# Altium PCB PCB1.PcbDoc
Units mm, origin at the board's own origin, x right, y up, seen from the top; angles counter-clockwise.
Board outline 85.72 x 53.85 mm, 4 copper layers (Top Layer, Signal1, GND, Bottom Layer), stack 0.415 mm thick; 53 components, 104 nets, 292 pads, 61 vias.
Unrouted connection lines stored in the file: 22.
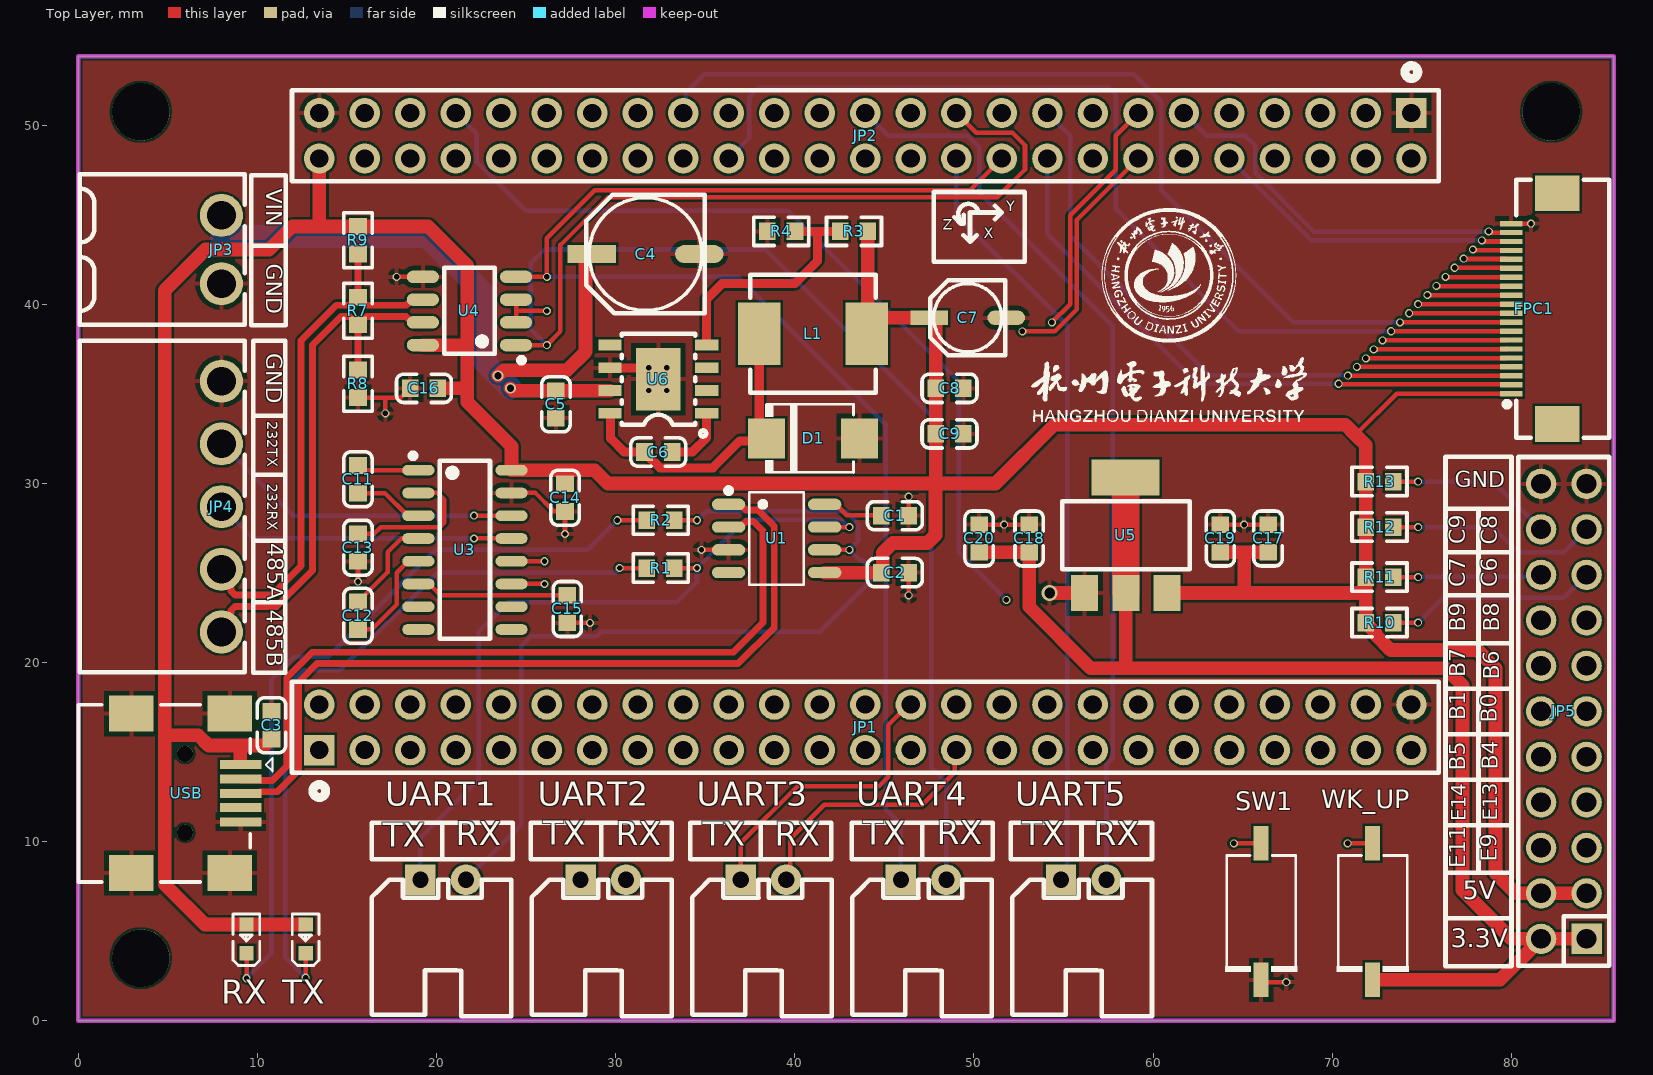
[diagram p0: Top Layer view]
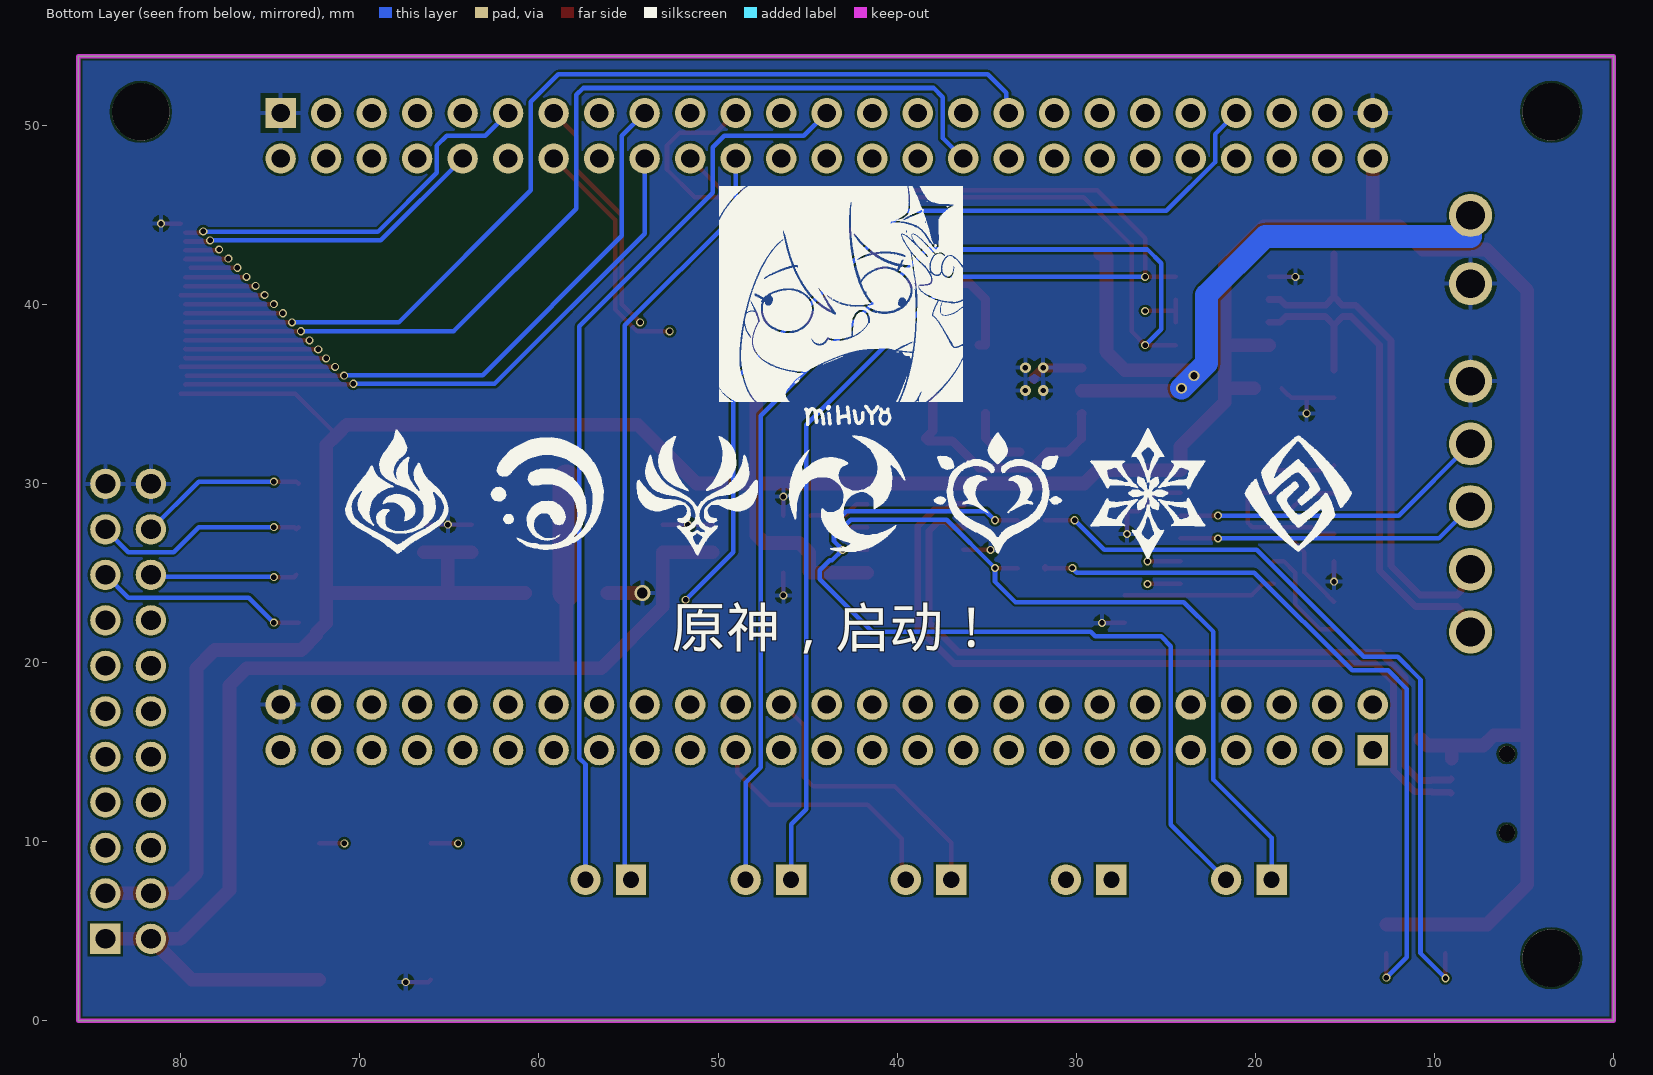
[diagram p1: Bottom Layer view, seen from below]
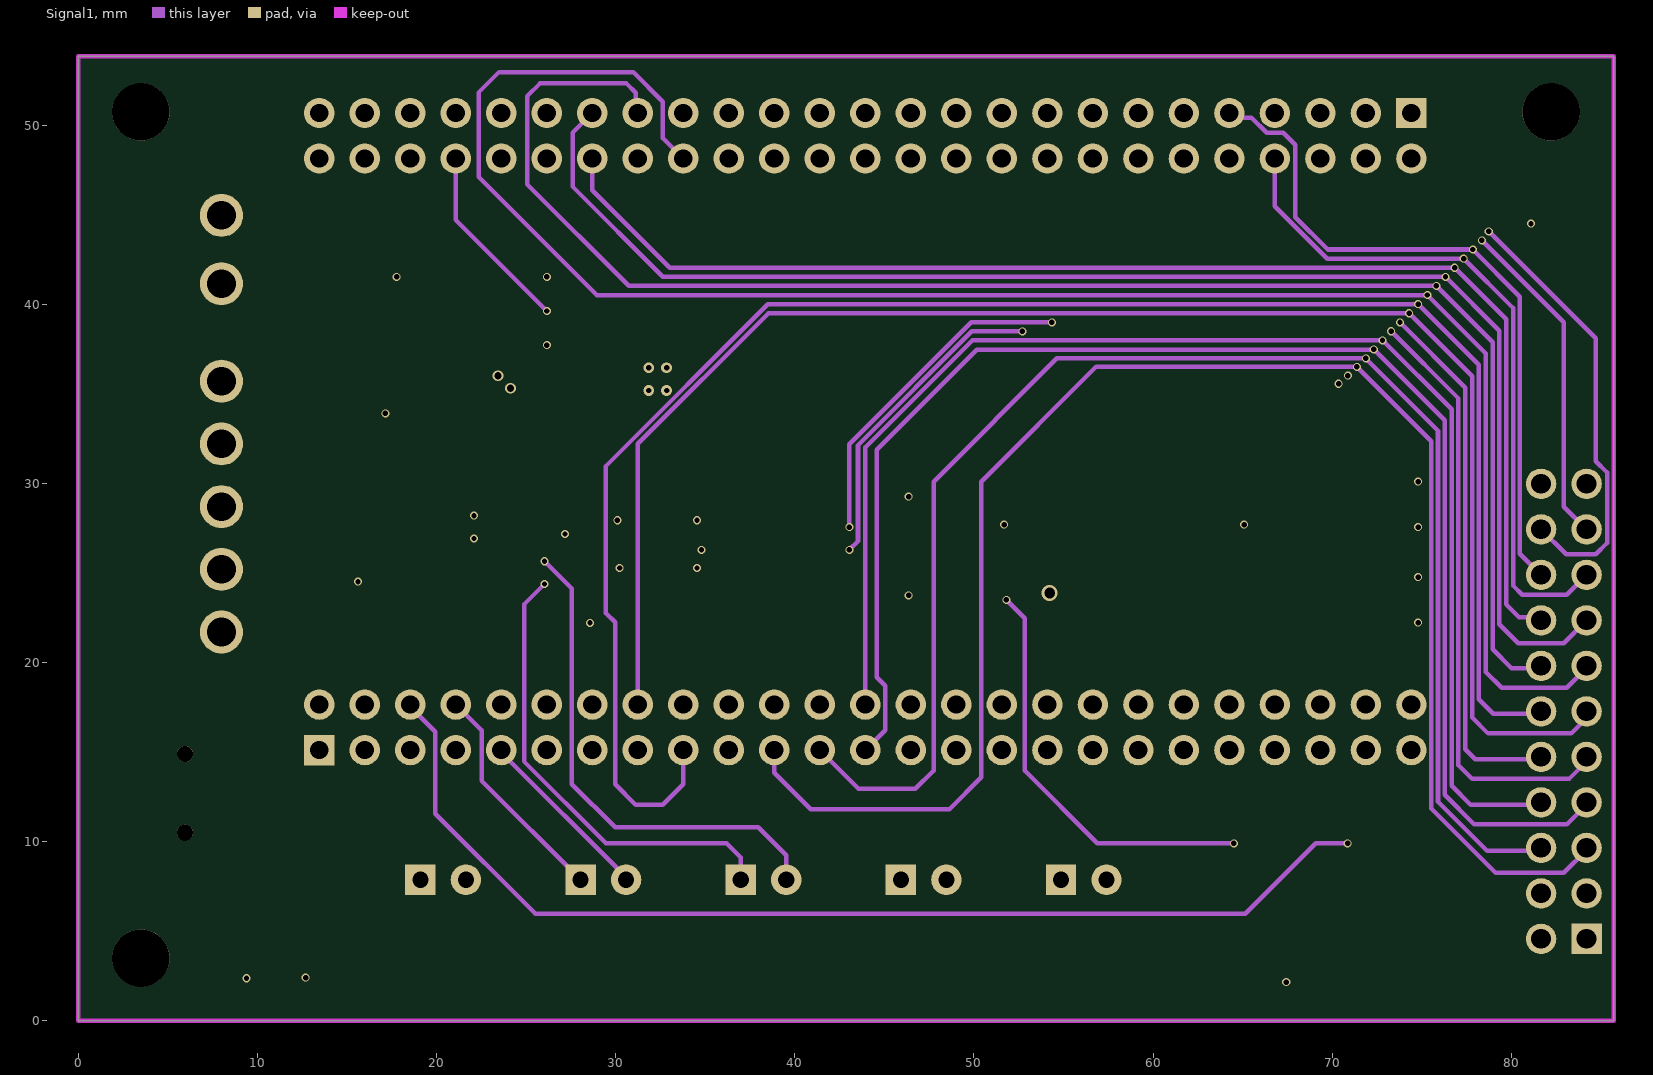
[diagram p2: Signal1]
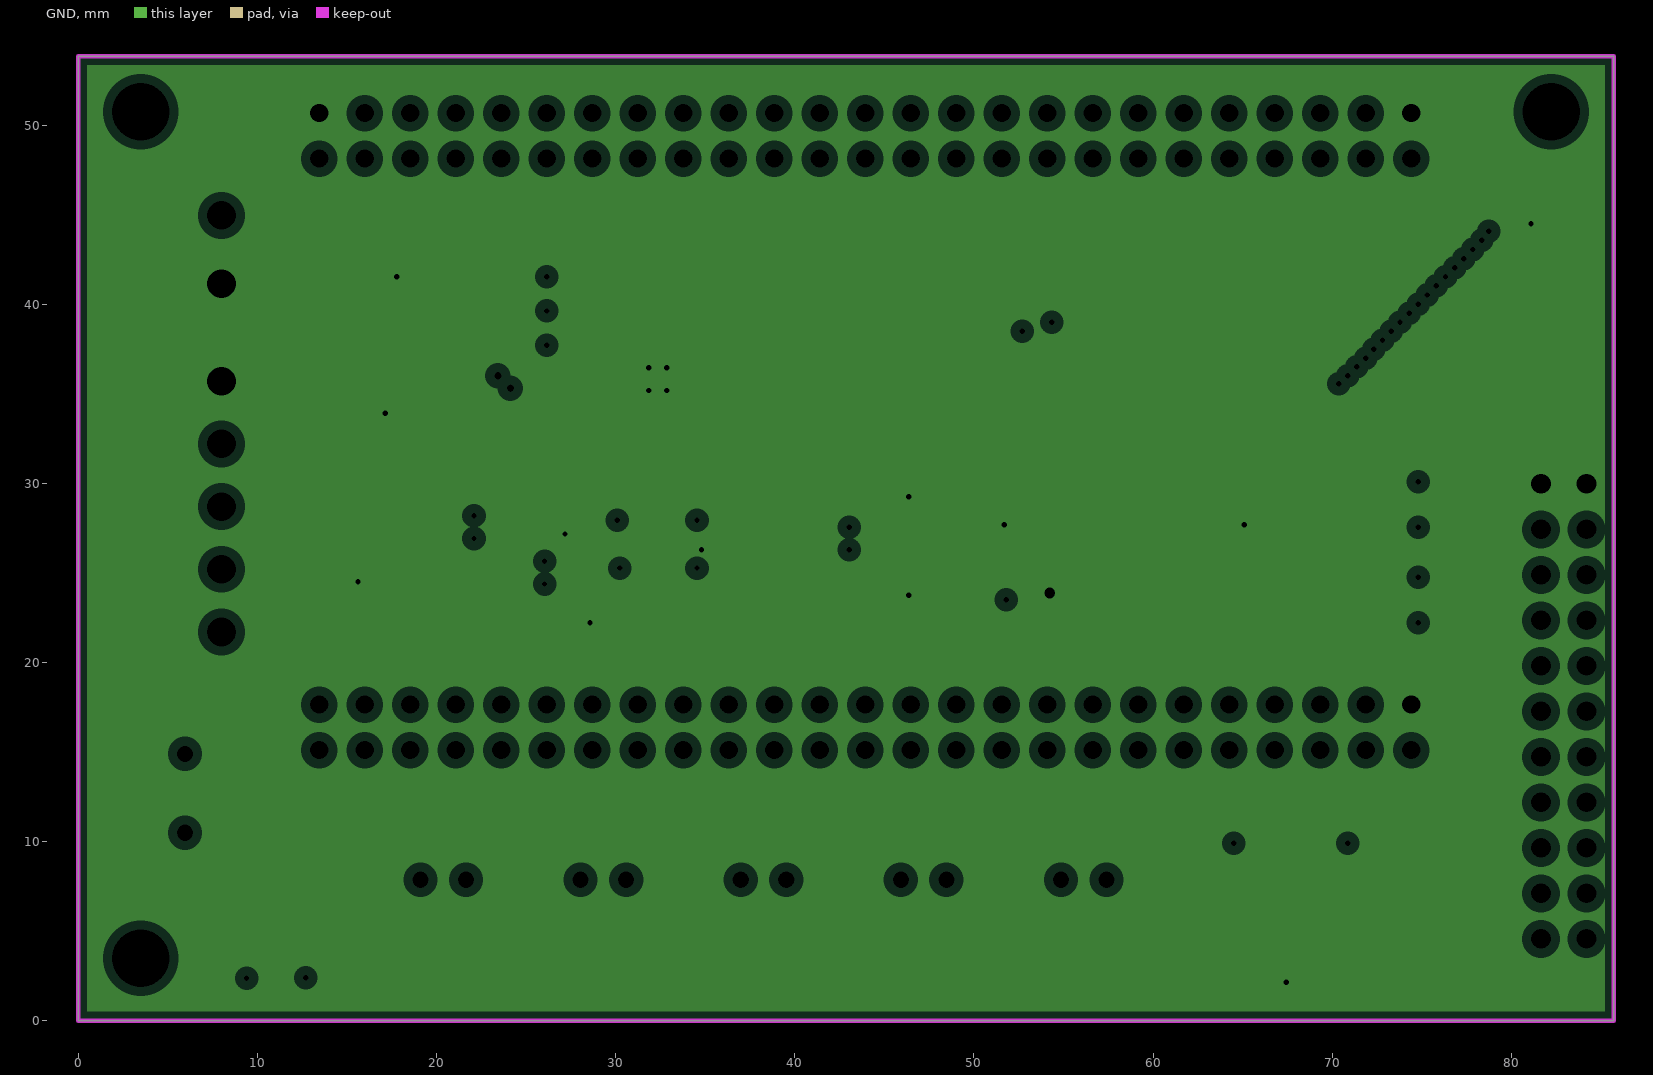
[diagram p3: GND, clearances drawn from the general rule]
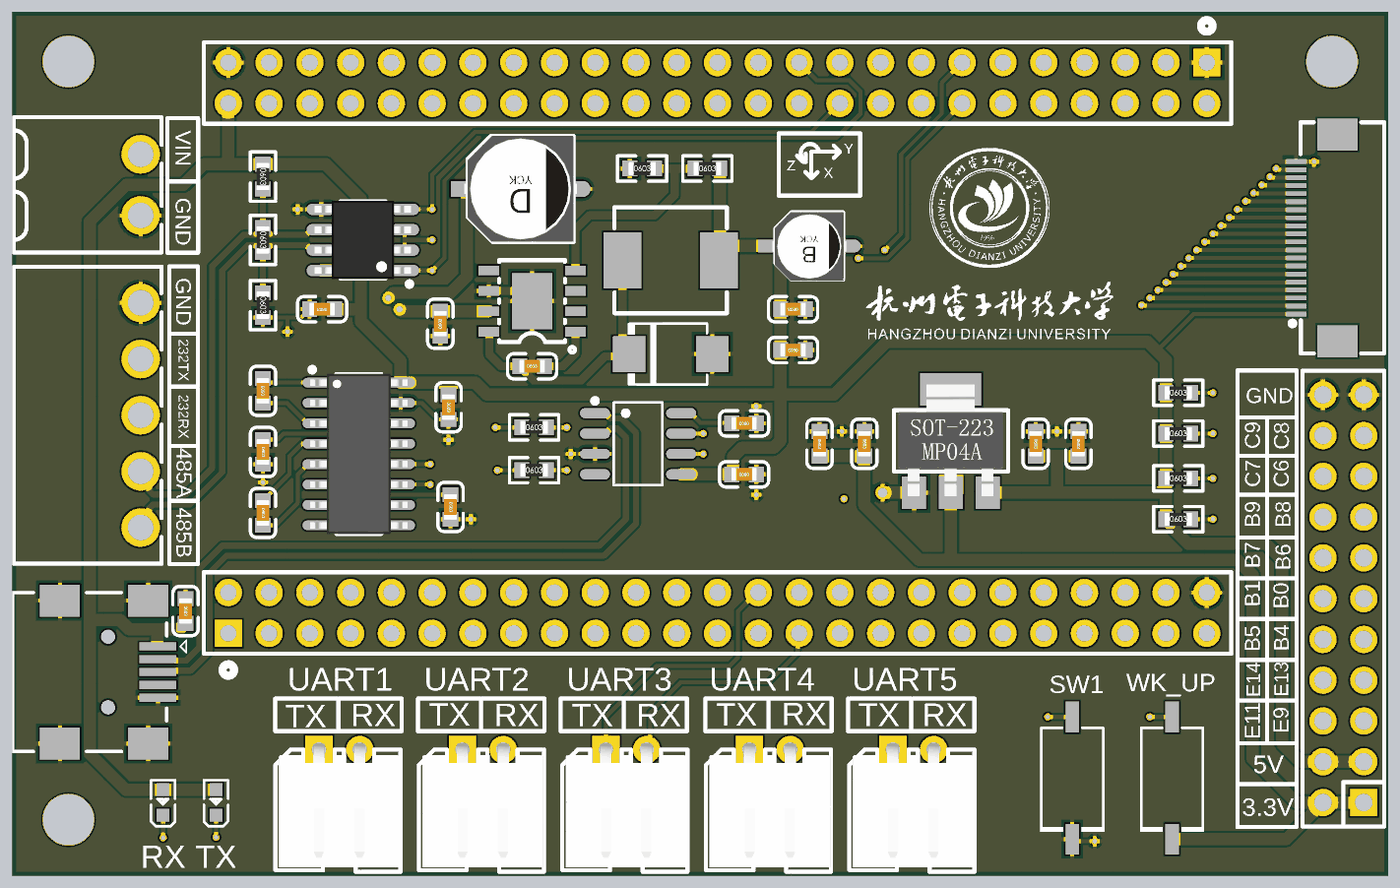
[diagram p4: 3D render of the assembled board from above, using the file's embedded part models]

## Layer stack, top to bottom
Top Solder: solder mask 0.0102, Solder Resist, Dk 3.5
Top Layer: signal copper 0.0356
Dielectric 2: core 0.1016, Core-009, Dk 4.5
Signal1: signal copper 0.035
Dielectric 1: prepreg 0.0711, PP-006, Dk 4.1
GND: plane copper 0.035, net GND
Dielectric 3: core 0.1016, Core-009, Dk 4.5
Bottom Layer: signal copper 0.0356
Bottom Solder: solder mask 0.0102, Solder Resist, Dk 3.5

## Board outline
0,0 85.725,0 85.725,53.848 0,53.848

## Design rules (kind name [scope] priority, off if disabled: settings)
Clearance [All] p1: gap=0.127 ignorepadtopadclearanceinfootprint=FALSE
DiffPairsRouting [All] p1: maxlimit=0.254 minlimit=0.254 mostfreqgap=0.254 toplayer_minwidth=0.381 toplayer_maxwidth=0.381 toplayer_prefwidth=0.381 midlayer1_minwidth=0.381 midlayer1_maxwidth=0.381 midlayer1_prefwidth=0.381 bottomlayer_minwidth=0.381 bottomlayer_maxwidth=0.381 bottomlayer_prefwidth=0.381 maxuncoupledlength=12.7
HoleSize [All] p1 off: absolutevalues=TRUE maxlimit=2.54 minlimit=0.025 maxpercent=80.000 minpercent=20.000
HoleToHoleClearance [All] p1 off: gap=0.254 allowstackedmicrovias=TRUE
LayerPairs [All] p1 off: enforce=TRUE
MinimumSolderMaskSliver [All] p1 off: minsoldermaskwidth=0.254
NetAntennae [All] p1 off: netantennaetolerance=0
PlaneClearance [All] p1: clearance=0.508
PlaneConnect [All] p1: planeconnectstyle=Relief reliefexpansion=0.508 reliefentries=4 reliefconductorwidth=0.254 reliefairgap=0.254
PolygonConnect [All] p1: connectstyle=Relief reliefconductorwidth=0.254 reliefentries=4 polygonreliefangle="90 Angle" airgapwidth=0.254
RoutingVias [All] p1: holewidth=0.2 width=0.35 viastyle="Through Hole" minholewidth=0.2 minwidth=0.35 maxholewidth=1.27 maxwidth=1.27
SilkToSilkClearance [All] p1 off: silktosilkclearance=0.254
SilkToSolderMaskClearance [IsPad] p1 off: minsilkscreentomaskgap=0.254 clearancetoexposedcopper=TRUE
SolderMaskExpansion [All] p1: expansion=0.102 istentingtop=FALSE
Width [All] p1: maxlimit=2.54 minlimit=0.254 preferedwidth=0.254 toplayer_prefwidth=0.762 minimp=50.000000 maximp=50.000000 favimp=50.000000
20 further rules are at their usual default settings.

## Classes and differential pairs
differential pair D: +D_P -D_N
differential pair 485: +485_P -485_N

## Components (designator, comment, footprint, x,y, rotation, side; value= is the part's Value field where it differs from the comment)
C1 "100nF" 0603_C 45.593,28.194 r180 top
C2 "100nF" 0603_C 45.593,25.019 r180 top
C3 "10uF" 0603_C 10.795,16.502 r270 top
C4 "47uF" "CM D(6.3*5.4)" 31.671,42.799 r180 top
C5 "100nF" 0603_C 26.67,34.409 r90 top
C6 "10nF" 0603_C 32.385,31.75 r0 top
C7 "10uF" "CM B(4*5.4)" 49.657,39.243 r180 top
C8 "100nF" 0603_C 48.641,35.306 r180 top
C9 "10uF" 0603_C 48.641,32.766 r180 top
C11 "470nF" 0603_C 15.621,30.226 r90 top
C12 "470nF" 0603_C 15.621,22.614 r270 top
C13 "470nF" 0603_C 15.621,26.416 r270 top
C14 "470nF" 0603_C 27.178,29.202 r270 top
C15 "470nF" 0603_C 27.305,22.987 r270 top
C16 "100nF (104) 10% 50V" 0603_C 19.304,35.306 r180 top
C17 "100nF" 0603_C 66.421,26.924 r270 top
C18 "100nF" 0603_C 53.086,26.924 r270 top
C19 "10uF" 0603_C 63.754,26.924 r270 top
C20 "10uF" 0603_C 50.292,26.924 r270 top
D1 "SS54_C2988643" SMB_L4.3-W3.6-LS5.4-RD 41.021,32.512 r0 top
FPC1 "FPC-05F-20PH20" FPC-SMD_20P-P0.50_XUNPU_FPC-05F-20PH20 81.28,39.751 r90 top
JP1 "2685Y-225CNG1SNA01" HDR-TH_50P-P2.54-V-F-R2-C25-S2.54-1 43.942,16.383 r0 top
JP2 "2685Y-225CNG1SNA01" HDR-TH_50P-P2.54-V-F-R2-C25-S2.54-1 43.942,49.403 r180 top
JP3 "KF2EDGR-3.81-2P" CONN-TH_2P-P3.81_KF2EDGR-3.81-2P 8.001,43.053 r270 top
JP4 "KF2EDGR-3.5-5P" CONN-TH_5P-P3.50_KF2EDGR-3.5-5P 8.001,28.702 r270 top
JP5 "PZ254V-12-22P" HDR-TH_22P-P2.54-V-M-R2-C11-S2.54 82.931,17.272 r90 top
L1 "MWSA0603S-220MT" IND-SMD_L7.3-W6.8 41.021,38.354 r180 top value=22uH
R1 "470Ω (4700) ±1%" 0603_R 32.512,25.273 r0 top
R2 "470Ω (4700) ±1%" 0603_R 32.512,27.94 r0 top
R3 "10K" 0603_R 43.307,44.069 r0 top
R4 "3.24K" 0603_R 39.243,44.069 r0 top
R7 "120Ω (1200) ±1%" 0603_R 15.621,39.624 r270 top
R8 "360Ω (3600) ±1%" 0603_R 15.621,35.56 r270 top
R9 "360Ω (3600) ±1%" 0603_R 15.621,43.569 r270 top
R10 "10KΩ (1002) ±1%" 0603_R 72.644,22.225 r0 top
R11 "10KΩ (1002) ±1%" 0603_R 72.644,24.765 r0 top
R12 "10KΩ (1002) ±1%" 0603_R 72.644,27.559 r0 top
R13 "10KΩ (1002) ±1%" 0603_R 72.644,30.099 r0 top
RX "NCD0603R1_C84263" LED0603-RD 9.398,4.572 r90 top
SW1 "TS3625A-HT" SW-SMD_L6.1-W3.7-LS7.9 66.04,6.096 r90 top
TX "NCD0603R1_C84263" LED0603-RD 12.7,4.572 r90 top
U1 "CH340N" SOP-8_L4.9-W3.9-P1.27-LS6.0-BL 38.989,26.924 r270 top
U3 "MAX232IDR C18261" SOIC-16_150mil 21.59,26.289 r270 top
U4 "MAX485" SOIC-8_150MIL 21.844,39.624 r90 top
U5 "AMS1117-3.3" SOT-223 58.42,27.178 r0 top
U6 "TPS5430DDAR" ESOP-8_L4.9-W3.9-P1.27-LS6.0-TL-EP 32.385,35.814 r180 top
UART1 "HDR-1X2" XH2.54-WI-2P 20.378,7.874 r0 top
UART2 "HDR-1X2" XH2.54-WI-2P 29.317,7.874 r0 top
UART3 "HDR-1X2" XH2.54-WI-2P 38.256,7.874 r0 top
UART4 "HDR-1X2" XH2.54-WI-2P 47.195,7.874 r0 top
UART5 "HDR-1X2" XH2.54-WI-2P 56.134,7.874 r0 top
USB "USB-5P" USB-MINI-A 5.969,12.7 r270 top
WK_UP "TS3625A-HT" SW-SMD_L6.1-W3.7-LS7.9 72.263,6.096 r90 top
